# Altium PCB 单片机主板.PcbDoc
Units mil, origin at the board's own origin, x right, y up, seen from the top; angles counter-clockwise.
Board outline 3937.01 x 3937.01 mil, 2 copper layers (Top Layer, Bottom Layer); 23 components, 39 nets, 142 pads, 21 vias.
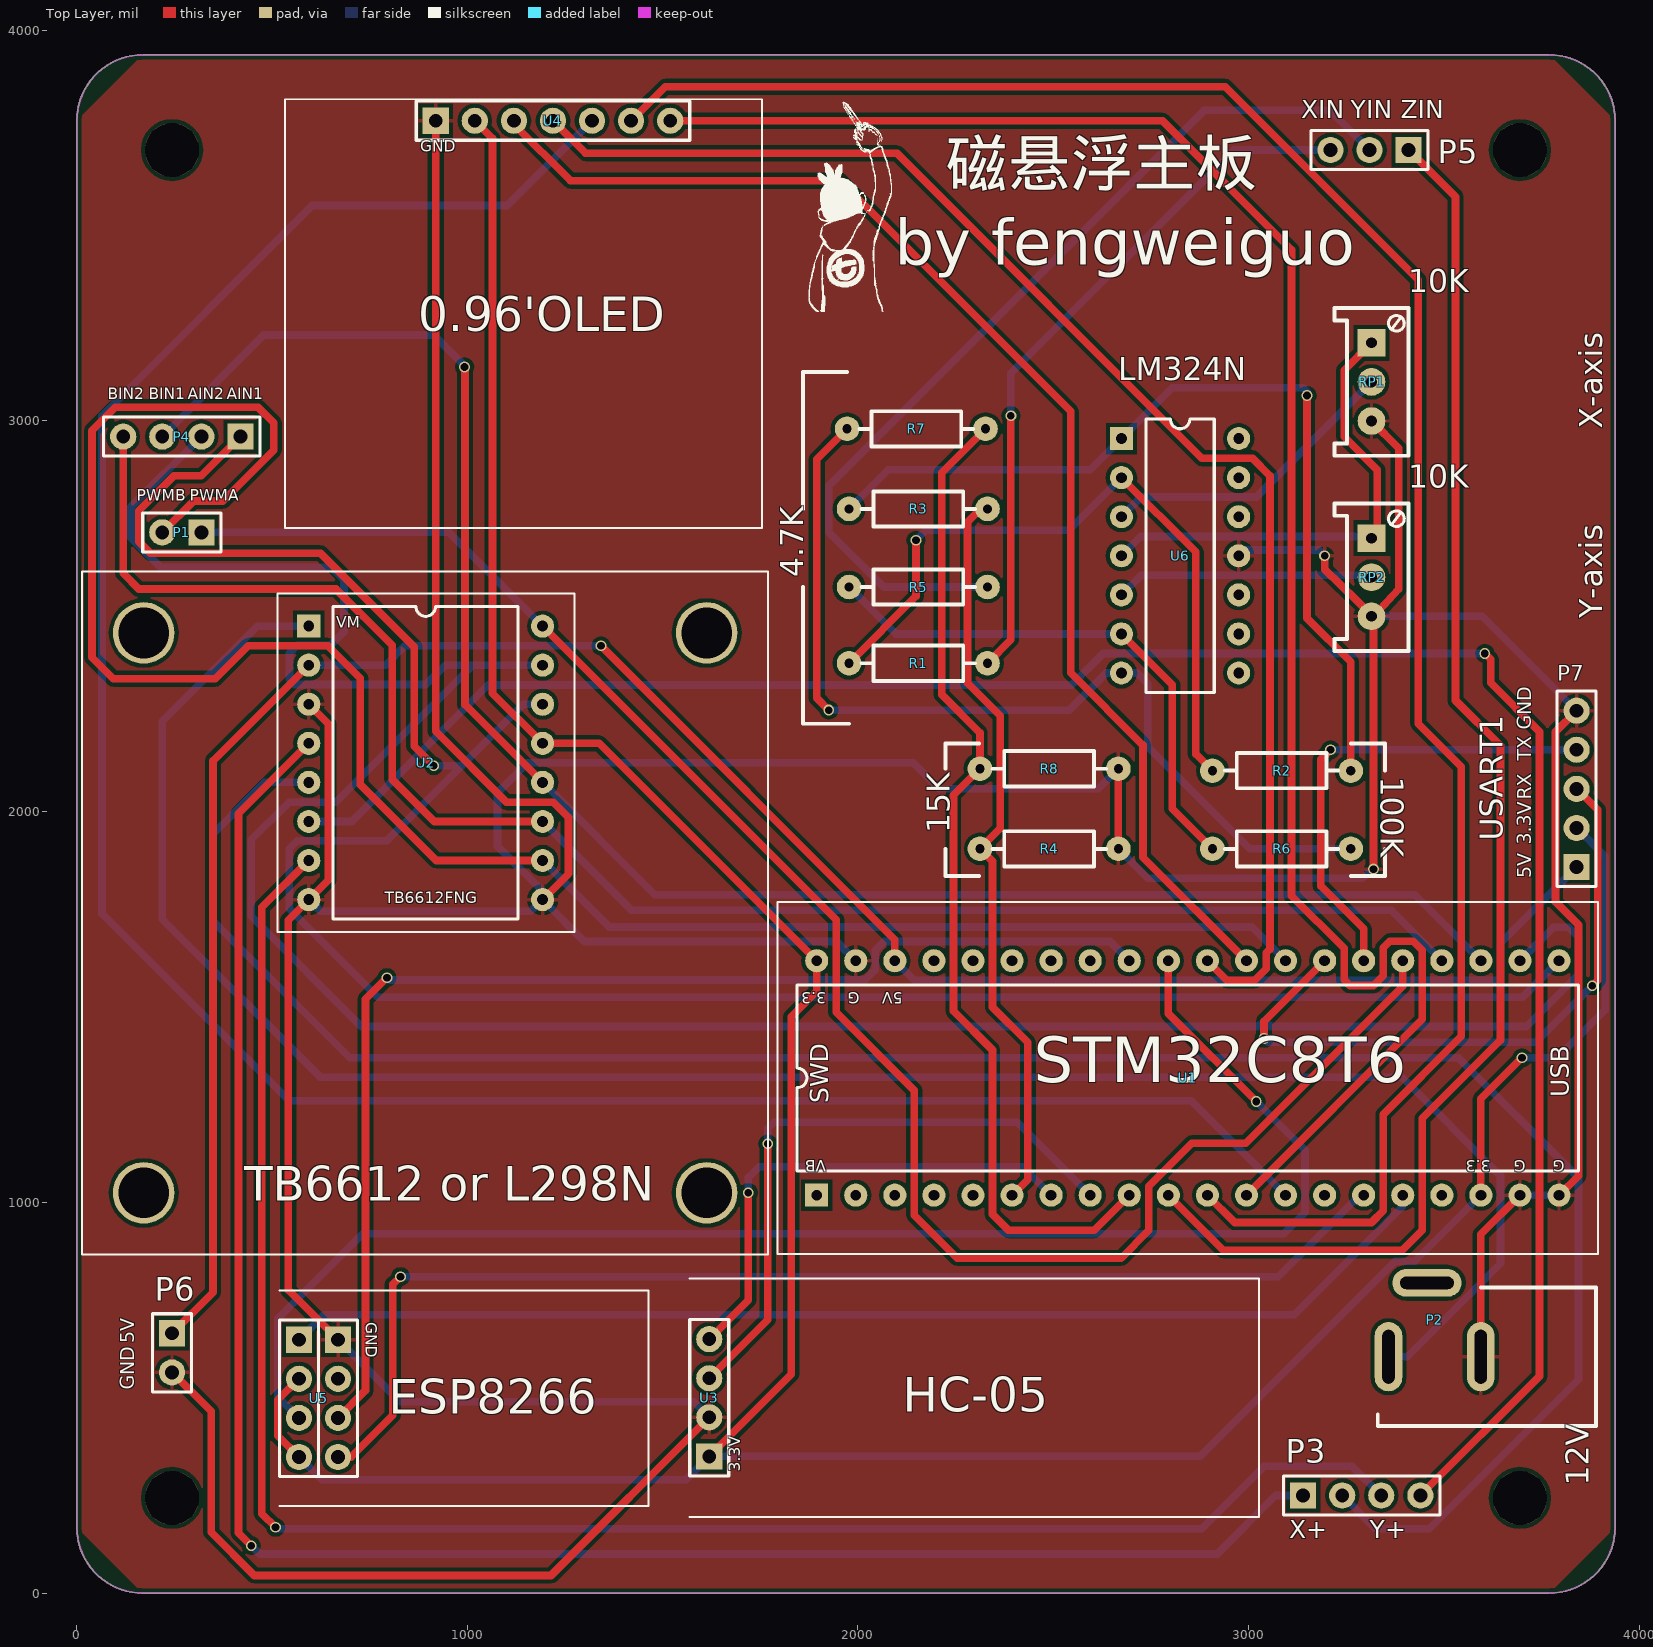
[diagram p0: Top Layer view]
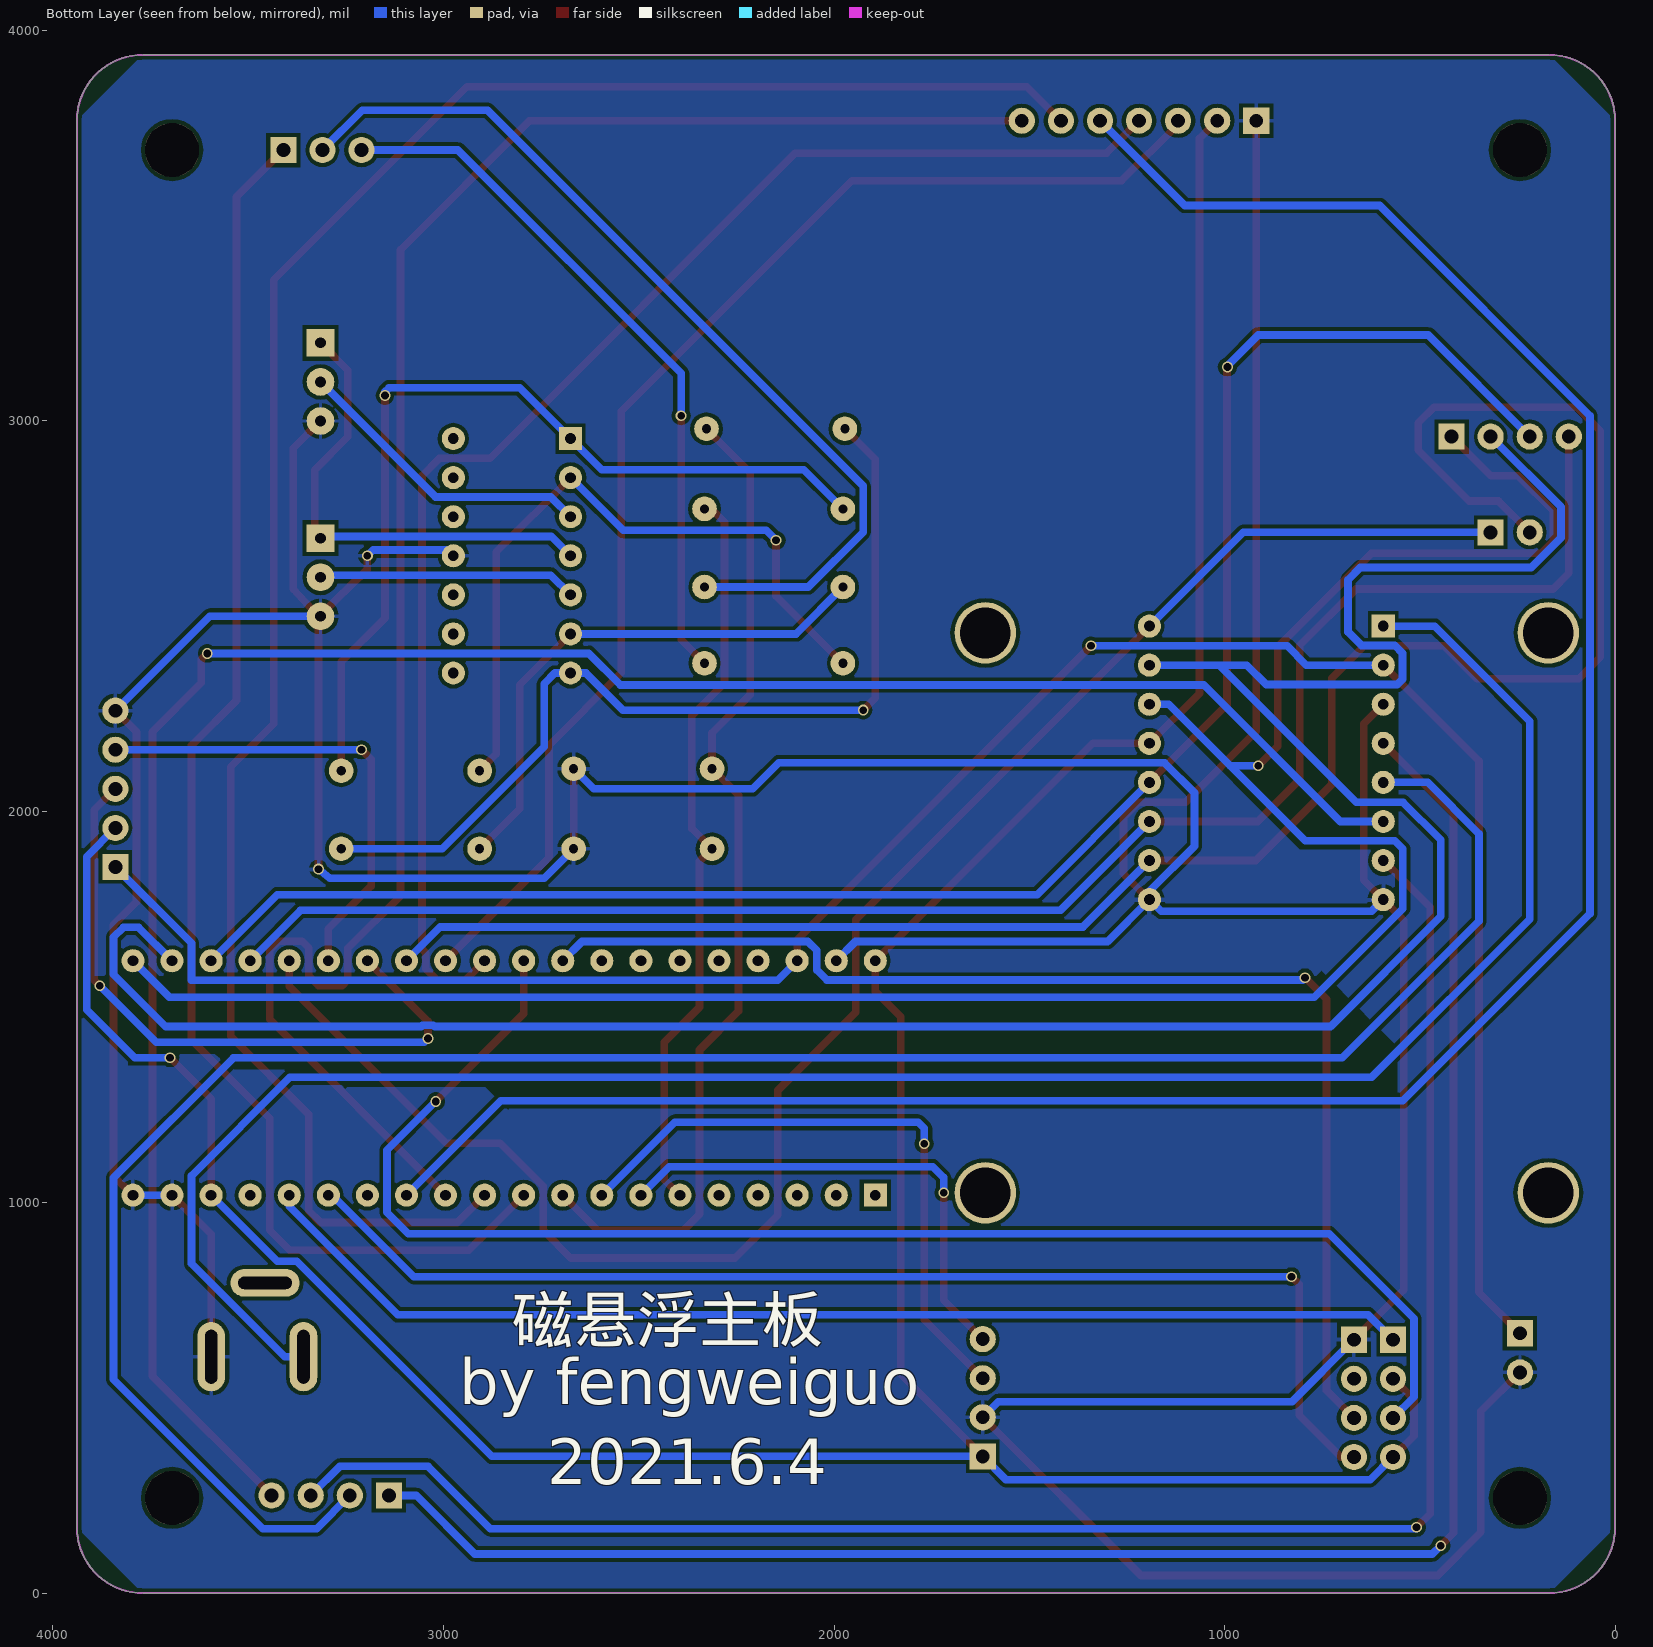
[diagram p1: Bottom Layer view, seen from below]

## Layer stack, top to bottom
Top Solder: solder mask 0.4, Solder Resist, Dk 3.5
Top Layer: signal copper 1.4
Dielectric 1: dielectric 12.6, FR-4, Dk 4.8
Bottom Layer: signal copper 1.4
Bottom Solder: solder mask 0.4, Solder Resist, Dk 3.5

## Board outline
1.5,168.5 ccw(c170,168.5) 170,0 3770,0 ccw(c3770,168.5) 3938.51,168.5 3938.51,3768.5 ccw(c3770,3768.5) 3770,3937.01 170,3937.01 ccw(c170,3768.5) 1.5,3768.5

## Design rules (kind name [scope] priority, off if disabled: settings)
Clearance [All] p1: gap=10 ignorepadtopadclearanceinfootprint=FALSE except(0: Arc-Hole Track-Hole SMDPad-Hole THPad-Hole Via-Hole Fill-Hole Poly-Hole Region-Hole Text-Hole)
HoleSize [All] p1: absolutevalues=TRUE maxlimit=157.48 minlimit=1 maxpercent=80.000 minpercent=20.000
HoleToHoleClearance [All] p1: gap=3.94 allowstackedmicrovias=TRUE
MinimumSolderMaskSliver [All] p1: minsoldermaskwidth=3.94
PolygonConnect [All] p1: connectstyle=Relief reliefconductorwidth=10 reliefentries=4 polygonreliefangle="90 Angle" airgapwidth=10
RoutingVias [All] p1: holewidth=28 width=50 viastyle="Through Hole" minholewidth=3.94 minwidth=3.94 maxholewidth=28 maxwidth=50
SilkToSilkClearance [All] p1: silktosilkclearance=0
SilkToSolderMaskClearance [IsPad] p1: minsilkscreentomaskgap=0 clearancetoexposedcopper=TRUE
SolderMaskExpansion [All] p1: expansion=4
UnRoutedNet [All] p1: checkbadconnections=TRUE
Width [All] p1: maxlimit=39.37 minlimit=19.68 preferedwidth=19.68
24 further rules are at their usual default settings.

## Components (designator, comment, footprint, x,y, rotation, side; value= is the part's Value field where it differs from the comment)
P1 "Pin2" HDR2.54-LI-2P 270,2715 r180 top
P2 "DC2.1" DC21 3890,605 r180 top
P3 "Pin4" HDR2.54-LI-4P 3290,250 r0 top
P4 "Pin4" HDR2.54-LI-4P 270,2960 r180 top
P5 "Pin3" HDR2.54-LI-3P 3310,3693.5 r180 top
P6 "Pin2" HDR2.54-LI-2P 245,615 r270 top
P7 "Pin5" HDR2.54-LI-5P 3840,2058.5 r90 top
R1 "4.7K" "RS 1/4W" 2155,2380 r180 top
R2 "100K" "RS 1/4W" 3085,2105 r0 top
R3 "4.7K" "RS 1/4W" 2155,2775 r180 top
R4 "15K" "RS 1/4W" 2490,1905 r180 top
R5 "4.7K" "RS 1/4W" 2155,2575 r180 top
R6 "100K" "RS 1/4W" 3085,1905 r0 top
R7 "4.7K" "RS 1/4W" 2150,2980 r180 top
R8 "15K" "RS 1/4W" 2490,2110 r180 top
RP1 "10K" 3296W 3315,3100 r270 top
RP2 "10K" 3296W 3315,2600 r270 top
U1 "STM32C8T6" STM32C8T6最小系统板 1895,1018.5 r90 top
U2 "TB6612" TB6612 595,2475 r0 top
U3 "HC-05" HC-05 1620,350 r90 top
U4 "0.96'OLED" 0.96'OLED 920,3768.5 r0 top
U5 "ESP8266-01S" ESP8266-01S 670,648.5 r270 top
U6 "LM324AD" LM324N 2675,2955 r0 top

## Footprints (in the part's own frame and the unit in brackets; to place one, negate y for a bottom-side part, rotate by r counter-clockwise, add the part's x,y. Pads: shape width x height; smd on the part's side, far side on the other; paste and mask are expansions set on the pad)
0.96'OLED [mm]
  rect 1.7x1.7 hole 0.9: 1(0,0)
  round 1.7 hole 0.9: 2(2.54,0) 3(5.08,0) 4(7.62,0) 5(10.16,0) 6(12.7,0) 7(15.24,0)
  silkscreen extent -9.8,-26.46 21.21,1.4, body extent -1.27,-1.27 16.51,1.27, height 8.5
3296W [mm] "Precise Multi-Winding Adjustable Resistor"
  rect 1.8x1.8 hole 0.7: 1(-2.54,0)
  round 1.8 hole 0.7: 2(0,0) 3(2.54,0)
  silkscreen extent -4.8,-2.4 4.8,2.4, body extent -4.75,-2.4 4.75,2.4, height 11.52
DC21 [mm]
  oval 1.8x4.5 hole 0.8 slot 3.5 at 90 deg: 1(13.5,0) 3(7.5,0)
  oval 4.5x1.8 hole 0.8 slot 3.5 at 0 deg: 2(11,-4.8)
  silkscreen extent 0,-4.5 14.2,4.5, body extent -0.25,-5.15 13.85,4.57, height 11.05
ESP8266-01S [mm]
  rect 1.7x1.7 hole 0.9: 1(0,0) 8(0,-2.54)
  round 1.7 hole 0.9: 2(2.54,0) 3(5.08,0) 4(7.62,0) 5(7.62,-2.54) 6(5.08,-2.54) 7(2.54,-2.54)
  silkscreen extent -3.21,-3.81 10.79,20.19, body extent -1.27,-3.81 8.89,1.27, height 8.5
HC-05 [mm]
  rect 1.7x1.7 hole 0.9: 1(0,0)
  round 1.7 hole 0.9: 2(2.54,0) 3(5.08,0) 4(7.62,0)
  silkscreen extent -3.94,-35.73 11.56,1.27, body extent -1.27,-1.27 8.89,1.27, height 8.5
HDR2.54-LI-2P [mm] "排针，2脚"
  rect 1.7x1.7 hole 0.9: 1(-1.27,0)
  round 1.7 hole 0.9: 2(1.27,0)
  silkscreen extent -2.54,-1.27 2.54,1.27, body extent -2.54,-1.27 2.54,1.27, height 8.5
HDR2.54-LI-3P [mm] "排针，3脚"
  rect 1.7x1.7 hole 0.9: 1(-2.54,0)
  round 1.7 hole 0.9: 2(0,0) 3(2.54,0)
  silkscreen extent -3.81,-1.27 3.81,1.27, body extent -3.81,-1.27 3.81,1.27, height 8.5
HDR2.54-LI-4P [mm] "排针，4脚"
  rect 1.7x1.7 hole 0.9: 1(-3.81,0)
  round 1.7 hole 0.9: 2(-1.27,0) 3(1.27,0) 4(3.81,0)
  silkscreen extent -5.08,-1.27 5.08,1.27, body extent -5.08,-1.27 5.08,1.27, height 8.5
HDR2.54-LI-5P [mm] "排针，5脚"
  rect 1.7x1.7 hole 0.9: 1(-5.08,0)
  round 1.7 hole 0.9: 2(-2.54,0) 3(0,0) 4(2.54,0) 5(5.08,0)
  silkscreen extent -6.35,-1.27 6.35,1.27, body extent -6.35,-1.27 6.35,1.27, height 8.5
LM324N [mm]
  rect 1.5x1.5 hole 0.7: 1(0,0)
  round 1.5 hole 0.7: 2(0,-2.54) 3(0,-5.08) 4(0,-7.62) 5(0,-10.16) 6(0,-12.7) 7(0,-15.24) 8(7.62,-15.24) 9(7.62,-12.7) 10(7.62,-10.16) 11(7.62,-7.62) 12(7.62,-5.08) 13(7.62,-2.54) 14(7.62,0)
  silkscreen extent 1.59,-16.51 6.03,1.27
"RS 1/4W" [mm] "直插色环电阻，脚距9mm，直径2.3mm"
  round 1.6 hole 0.6: 1(-4.5,0) 2(4.5,0)
  silkscreen extent -3.68,-1.14 3.68,1.14, body extent -4.72,-1.16 4.73,1.16, height 2.32
STM32C8T6最小系统板 [mm]
  rect 1.5x1.5 hole 0.7: 1(0,0)
  round 1.5 hole 0.7: 2(0,-2.54) 3(0,-5.08) 4(0,-7.62) 5(0,-10.16) 6(0,-12.7) 7(0,-15.24) 8(0,-17.78) 9(0,-20.32) 10(0,-22.86) 11(0,-25.4) 12(0,-27.94) 13(0,-30.48) 14(0,-33.02) 15(0,-35.56) 16(0,-38.1) 17(0,-40.64) 18(0,-43.18) 19(0,-45.72) 20(0,-48.26) 21(15.24,-48.26) 22(15.24,-45.72) 23(15.24,-43.18) 24(15.24,-40.64) 25(15.24,-38.1) 26(15.24,-35.56) 27(15.24,-33.02) 28(15.24,-30.48) 29(15.24,-27.94) 30(15.24,-25.4) 31(15.24,-22.86) 32(15.24,-20.32) 33(15.24,-17.78) 34(15.24,-15.24) 35(15.24,-12.7) 36(15.24,-10.16) 37(15.24,-7.62) 38(15.24,-5.08) 39(15.24,-2.54) 40(15.24,0)
  silkscreen extent -3.81,-50.8 19.05,2.54
TB6612 [mm]
  rect 1.5x1.5 hole 0.7: 1(0,0)
  round 1.5 hole 0.7: 2(0,-2.54) 3(0,-5.08) 4(0,-7.62) 5(0,-10.16) 6(0,-12.7) 7(0,-15.24) 8(0,-17.78) 9(15.2,-17.78) 10(15.2,-15.24) 11(15.2,-12.7) 12(15.2,-10.16) 13(15.2,-7.62) 14(15.2,-5.08) 15(15.2,-2.54) 16(15.2,0)
  silkscreen extent -2.03,-19.89 17.26,2.11

## Part data
P1 P6: "两脚2.54mm排针"
P2: library part Pin3, "三脚2.54mm排针"
P3 P4: "四脚2.54mm排针"
P5: "三脚2.54mm排针"
P7: "五脚2.54mm排针"
R1 R2 R3 R4 R5 R6 R7 R8: library part R-CRR, "直插色环电阻"
RP1 RP2: library part RP-ID, "插件单联电位器"
U3: "蓝牙模块"
U4: "OLED显示屏"
U5: "WIFI模块"

## Free pads (board coordinates)
  round 157.48 hole 129.92 unplated: 1(172.48,2457.52) 2(1613.43,2457.52) 3(172.48,1024.45) 4(1613.43,1024.45)
  round 137.8 hole 137.8 unplated: 1(245,3693.5) 2(3695,3693.5) 3(245,243.5) 4(3695,243.5)

## Via types
v1: diameter 27.56, hole 19.68, Top Layer to Bottom Layer, tented both sides, 21 vias

## Nets (pads, with @x,y where several pads share a name; then routed paths per layer and width w, separated by ;. In a path a pad name is that pad's centre, name@x,y a point inside that pad or via, vN(x,y) a via of type N, cw(c..) or ccw(c..) an arc to the next point about the centre after c; other vN are vias at no path point)
3.3V: P7.2 U1.18 U1.40 U2.13 U3.1 U4.2 U5.5 U5.7 | length 8730.3
  Top Layer w19.68: U5.5 516,402.5 516,494.5 U5.7 ; U4.2 1065,3723.5 1065,2303.43 U2.13 1338.5,2175 U1.40 1895,1540 1830,1475 1830,560 U3.1 ; U1.18 3595,1265 v1(3700,1370)
  Bottom Layer w19.68: U5.5 628,290.5 1560.5,290.5 U3.1 2876.5,350 3376,849.5 3426,849.5 U1.18 ; v1(3700,1370) 3790.01,1370 3913.62,1493.61 3913.62,1884.88 P7.2
5V: P6.1 P7.1 U1.38 U2.2 | length 5682.4
  Top Layer w19.68: P6.1 350,770 350,2130 U2.2 ; v1(1343,2424.5) 2095,1672.5 U1.38
  Bottom Layer w19.68: U2.2 791.5,2375 841,2424.5 v1(1343,2424.5) ; U1.38 2145,1568.5 3645,1568.5 3645,1663.5 P7.1
12V: P2.1 U2.1 | length 5308.8
  Bottom Layer w19.68: U2.1@581.35,2461.35 U2.1 463.65,2475 432.5,2443.85 370,2381.35 220,2231.35 220,1725 625,1320 3393.5,1320 3645,1068.5 3645,843.5 3406.5,605 P2.1
+5: RP1.1 RP2.1 U6.4 | length 1232.8
  Top Layer w19.68: RP2.1 3330,2715 3330,2874.5 3245,2959.5 3245,3130 RP1.1
  Bottom Layer w19.68: U6.4 2724.5,2704.5 3310.5,2704.5 RP2.1
AIN1: P4.1 U1.21 U2.14 | length 5966.5
  Top Layer w19.68: P4.1 320,2860 250,2860 160,2770 160,2691.5 190,2661.5 625,2661.5 865,2421.5 865,2167.5 v1(915,2117.5)
  Bottom Layer w19.68: v1(915,2117.5) 985,2117.5 ; U2.14 1144,2275 985.75,2116.75 794.5,1925.5 565.5,1925.5 545,1905 545,1751.5 771.5,1525 3701.5,1525 U1.21
AIN2: P4.2 U1.22 U2.15 | length 6769.5
  Bottom Layer w19.68: P4.2 140,2780 140,2701.5 216.5,2625 653.5,2625 685,2593.5 685,2460 650.5,2425.5 565.5,2425.5 545.63,2405.63 545.63,2338.87 559,2325.5 894.5,2325.5 944,2375 1014.5,2375 ; U2.15 1014.5,2375 ; U1.22 3781,1704.5 3819,1704.5 3845,1678.5 3845,1584 3711,1450 3057.05,1450 3053.93,1453.12 3026.07,1453.12 3022.95,1450 730,1450 447.67,1732.33 447.67,1927.67 544.5,2024.5 664,2024.5 1014.5,2375
BIN1: P4.3 U1.23 U2.12 | length 4655.9
  Top Layer w19.68: v1(993.75,3138.25) 995,3139.5 995,2273.43 U2.12
  Bottom Layer w19.68: P4.3 480,3220 914.5,3220 993.75,3140.75 v1(993.75,3138.25) ; U2.12 1480.93,1787.5 3426,1787.5 U1.23
BIN2: P4.4 U1.24 U2.11 | length 4336.6
  Top Layer w19.68: P4.4 120,2610 160,2570 664.5,2570 809,2425.5 809,2082.5 916.5,1975 U2.11
  Bottom Layer w19.68: U2.11 1420.93,1747.5 3366,1747.5 U1.24
CLK: U1.29 U4.3 | length 3330.8
  Top Layer w19.68: U4.3 1120,3760 1265,3615 1955,3615 2545,3025 2545,2355.5 2730,2170.5 2730,1883.5 U1.29
CS: U1.12 U4.7 | length 4768.8
  Top Layer w19.68: U4.7 2780,3768.5 3110,3438.5 3110,1785 3245,1650 3245,1570 3260,1555 3320,1555 3345,1580 3345,1651.5 3362,1668.5 3421.5,1668.5 3445,1645 3445,1468.5 U1.12
DC: U1.11 U4.6 | length 5258.5
  Top Layer w19.68: U4.6 1507,3855.5 2941,3855.5 3435,3361.5 3435,2225 3545,2115 3545,1425 3345,1225 3345,978.5 3315,948.5 2965,948.5 U1.11
DIN: U1.30 U4.4 | length 3660.7
  Top Layer w19.68: U4.4 1303.5,3685 2100.5,3685 2881,2904.5 3010.5,2904.5 3055,2860 3055,1648.32 3045.63,1638.95 3045.63,1598.05 3016.08,1568.5 2945,1568.5 U1.30
GND: P2.3 P6.2 P7.5 R4.1 R8.1 RP1.3 RP2.3 U1.19 U1.20 U1.39 U2.3 U2.8 U2.9 U3.2 U4.1 U5.1 U6.11 | length 15454.2
  Top Layer w19.68: P6.2 345,465 345,155.5 455.5,45 1215,45 U3.2 ; U2.3 645,2225 645,1825 U2.8 542.52,1722.52 542.52,775.98 U5.1 ; U4.1 920,2205.62 1101.12,2024.5 1220.5,2024.5 1260,1985 1260,1841.57 U2.9 ; R4.1 R8.1 ; v1(3195,2655) 3195,2620 3317.16,2502.24 RP2.3@3320,2499.5 ; RP1.3 3385,2930 3385,2570 RP2.3@3320,2499.5 ; v1(3320,1853) RP2.3@3320,2499.5 ; P2.3 3594.72,918.22 U1.19 ; U1.20 3845,1068.5 3845,1710 3786,1769 3786,2204.5 P7.5
  Bottom Layer w19.68: U2.8 625,1745 1163.43,1745 U2.9 ; U5.1 828.5,490 1580,490 U3.2 ; U1.39 1945.63,1667.87 1300.56,1667.87 U2.9 ; R4.1 2742.17,1830 3291.5,1830 v1(3320,1853) ; R8.1 2615.67,2058.5 2209,2058.5 2142,2125.5 1155,2125.5 1078,2048.5 1078,1912 1193.43,1796.57 U2.9 ; U6.11 2990,2670 3180,2670 v1(3195,2655) ; RP2.3 3598.5,2500 P7.5 ; U1.19 U1.20
GPIO0: U1.32 U5.3 | length 3171.9
  Top Layer w19.68: U5.3 740,518.5 740,1520 v1(795,1575)
  Bottom Layer w19.68: v1(795,1575) 800.87,1569.13 2017.87,1569.13 2018.5,1568.5 2045,1595 2045,1645 2067.87,1667.87 2645.63,1667.87 U1.32
NetR1_2: R1.2 R2.1 U6.2 | length 1824.3
  Top Layer w19.68: R1.2 2149,2551.17 v1(2149,2694.5) ; U6.2 2865,2665 2865,2147.83 R2.1
  Bottom Layer w19.68: v1(2149,2694.5) 2174.5,2720 2540,2720 U6.2
NetR2_2: R2.2 R3.2 U6.1 | length 2320.9
  Top Layer w19.68: v1(3150,3065) 3150,2495.5 3262.17,2383.33 R2.2
  Bottom Layer w19.68: R3.2 2078.33,2875.5 2595.5,2875.5 U6.1 2805,3085 3139.5,3085 3150,3074.5 v1(3150,3065)
NetR5_2: R5.2 R6.1 U6.6 | length 1393.3
  Top Layer w19.68: U6.6 2805,2325 2805,2007.83 R6.1
  Bottom Layer w19.68: R5.2 2097.83,2455 U6.6
NetR6_2: R6.2 R7.2 U6.7 | length 2421.6
  Top Layer w19.68: v1(1926,2260) 1895,2291 1895,2902.17 R7.2
  Bottom Layer w19.68: v1(1926,2260) 2540.67,2260 2635.67,2355 U6.7 2715,2355 2742.17,2327.83 2742.17,2166.33 3003.5,1905 R6.2
NetRP1_2: RP1.2 U6.3 | length 782.9
  Bottom Layer w19.68: U6.3 2725.5,2805.5 3020.5,2805.5 RP1.2
NetRP2_2: RP2.2 U6.5 | length 666.4
  Bottom Layer w19.68: U6.5 2725.5,2605.5 3315,2605.5 RP2.2
PWMA: P1.1 U1.25 U2.16 | length 4589.5
  Top Layer w19.68: U2.16 1945,1723.43 1945,1486.5 2145,1286.5 2145,967.5 2255,857.5 2674,857.5 2745,928.5 2745,1041.5 2855,1151.5 2992.88,1151.5 3395,1553.62 U1.25
  Bottom Layer w19.68: P1.1 953.43,2715 U2.16
PWMB: P1.2 U1.28 U2.10 | length 5134.4
  Top Layer w19.68: P1.2 300,2795 375,2795 505,2925 505,2995 465,3035 100,3035 40,2975 40,2395 95,2340 355.5,2340 440,2424.5 644,2424.5 727,2341.5 727,2069.5 921.5,1875 U2.10
  Bottom Layer w19.68: U2.10 1363.43,1705 3008.5,1705 U1.28
RES: U1.13 U4.5 | length 6168.7
  Bottom Layer w19.68: U4.5 1103,3551.5 604,3551.5 66,3013.5 66,1739 545,1260 2853.5,1260 U1.13
USART1_RX: P7.3 U1.27 | length 1699.2
  Top Layer w19.68: v1(3040,1419.5) 3040,1463.5 U1.27 ; P7.3 3894,2004.5 3894,1568.5 v1(3880,1554.5)
  Bottom Layer w19.68: v1(3040,1419.5) 3049.5,1410 3735.5,1410 v1(3880,1554.5)
USART1_TX: P7.4 U1.26 | length 1225.9
  Top Layer w19.68: v1(3210,2158.5) 3185,2133.5 3185,1810 3295,1700 U1.26
  Bottom Layer w19.68: v1(3210,2158.5) P7.4
USART2_RX: U1.8 U3.3 | length 1610.6
  Top Layer w19.68: U3.3 1770,700 v1(1770,1150)
  Bottom Layer w19.68: v1(1770,1150) 1770,1190 1785,1205 2408.5,1205 U1.8
USART2_TX: U1.7 U3.4 | length 1271.8
  Top Layer w19.68: U3.4 1720,750 v1(1720,1025)
  Bottom Layer w19.68: v1(1720,1025) 1720,1063.5 1748,1091.5 2422,1091.5 U1.7
USART3_RX: U1.16 U5.8 | length 2995
  Bottom Layer w19.68: U5.8 634,712.5 3117.5,712.5 3395,990 U1.16
USART3_TX: U1.15 U5.4 | length 3098.8
  Top Layer w19.68: U5.4 703.5,348.5 810,455 810,790 v1(830,810)
  Bottom Layer w19.68: v1(830,810) 3076.5,810 3285,1018.5 U1.15
WIFI_RST: U1.31 U5.6 | length 3806.7
  Top Layer w19.68: U1.31 2795,1483.5 v1(3020,1258.5)
  Bottom Layer w19.68: U5.6 516,502.5 516,702.5 733.5,920 3090,920 3145,975 3145,1133.5 v1(3020,1258.5)
X+: P3.1 U2.4 | length 4905
  Top Layer w19.68: v1(447.67,121.5) 415,154.17 415,1995 U2.4
  Bottom Layer w19.68: v1(447.67,121.5) 469.17,100 2920,100 3070,250 P3.1
X-: P3.2 U2.5 | length 5604
  Bottom Layer w19.68: U2.5 481.5,2075 350,1943.5 350,1720 700,1370 3537.5,1370 3845,1062.5 3845,547.5 3462.5,165 3325,165 P3.2
XIN: P5.3 R1.1 | length 1821.5
  Top Layer w19.68: R1.1 2392,2439.83 v1(2392,3013.5)
  Bottom Layer w19.68: v1(2392,3013.5) 2392,3122 2963.5,3693.5 P5.3
XOUT: R3.1 R4.2 U1.6 | length 1911.5
  Top Layer w19.68: R3.1 2315,2775 2280.83,2740.83 2280.83,2329.5 2365,2245.33 2365,1957.17 R4.2 2345,1872.83 2345,1500 2435,1410 2435,1058.5 U1.6
Y+: P3.3 U2.7 | length 4698
  Top Layer w19.68: v1(510,168.5) 475,203.5 475,1755 U2.7
  Bottom Layer w19.68: v1@510,165 2880,165 3040,325 3265,325 P3.3
Y-: P3.4 U2.6 | length 5527.9
  Top Layer w19.68: P3.4 3745,555 3745,2205 3620,2330 3620,2390 v1(3605,2405)
  Bottom Layer w19.68: U2.6 705,1975 1054.5,2324.5 2548,2324.5 2629,2405.5 2629.5,2405 v1(3605,2405)
YIN: P5.2 R5.1 | length 2406.7
  Bottom Layer w19.68: R5.1 2066.5,2575 1926,2715.5 1926,2833.5 2887.5,3795 3208.5,3795 P5.2
YOUT: R7.1 R8.2 U1.9 | length 2571.3
  Top Layer w19.68: R7.1 2215,2867.83 2215,2300 2312.83,2202.17 R8.2 2245,2042.17 2245,1490 2345,1390 2345,969.5 2386,928.5 2605,928.5 U1.9
ZOUT: P5.1 U1.10 | length 3674.7
  Top Layer w19.68: U1.10 2936,877.5 3394,877.5 3445,928.5 3445,1215 3645,1415 3645,2169.66 3530,2284.66 3530,3573.5 P5.1
pads on no net: P2.2 U1.1 U1.2 U1.3 U1.4 U1.5 U1.14 U1.17 U1.33 U1.34 U1.35 U1.36 U1.37 U5.2 U6.8 U6.9 U6.10 U6.12 U6.13 U6.14

## Polygon pours and split planes (outlines as drawn)
GND on Top Layer (solid, pour order 0): 170,3937.01 1.5,3768.5 1.5,168.5 170,0 3770,0 3938.51,168.5 3938.51,3768.5 3770,3937.01 170,3937.01
GND on Bottom Layer (solid, pour order 2): 170,3937.01 1.5,3768.5 1.5,168.5 170,0 3770,0 3938.51,168.5 3938.51,3768.5 3770,3937.01 170,3937.01

## Keep-outs
Keep-Out Layer:
  the board outline again, w5

## Other copper
Bottom Layer:
  pour cut-out: 570,2404.27 579.04,2395.23 785.3,2395.23 836.97,2446.9 1352.28,2446.9 1352.28,2402.1 1350.11,2404.27 1227.09,2404.27 1227.09,2360.48 1221.62,2355 1221.62,2246.81 1151.81,2246.81 808.19,1903.19 555,1903.19 555,2406.57 555.79,2407.36
  pour cut-out: 755,1592.14 767.14,1580 3925,1580 3925,1476.38 3808.13,1359.51 3808.13,1350 3685.71,1350 3677.6,1358.11 3677.6,1379.28 3585.03,1379.28 3535.69,1340 3301.35,1340 3251.35,1290 3246.35,1295 2893.9,1295 2835,1236.1 2829.79,1241.31 557.76,1241.31 557.76,1397.76 755,1595

## Silkscreen, mask and mechanical layers (free items; w line width, h text height)
Top Overlay:
  drawing of 2802 lines, arcs and shapes, not listed
  text "XIN" at 3135,3760 h80
  text "YIN" at 3262.17,3760 h80
  text "ZIN" at 3390,3760 h80
  text "磁悬浮主板" at 2225,3565 h200
  text "by fengweiguo" at 2095,3361.6 h200
  text "10K" at 3409.49,3310 h100
  text "0.96'OLED" at 875,3200 h150
  text "LM324N" at 2667.17,3085 h100
  text "BIN2" at 80,3045 h50
  text "BIN1" at 185,3045 h50
  text "AIN2" at 285,3045 h50
  text "AIN1" at 385,3045 h50
  text "X-axis" at 3925,2980 h100 r90
  text "10K" at 3409.49,2810 h100
  text "PWMB" at 155,2785 h50
  text "PWMA" at 290,2785 h50
  text "4.7K" at 1880,2600 h100 r90
  text "Y-axis" at 3925,2495 h100 r90
  text "GND" at 3735,2210 h60 r90
  text "TX" at 3735,2130 h60 r90
  text "100K" at 3320,2090 h100 r270
  text "RX" at 3735,2030 h60 r90
  text "15K" at 2255,1945 h100 r90
  text "USART1" at 3670,1925 h100 r90
  text "3.3V" at 3735,1915 h60 r90
  text "5V" at 3735,1830 h60 r90
  text "TB6612 or L298N" at 430,975 h150
  text "5V" at 160,640 h60 r90
  text "GND" at 160,520 h60 r90
  text "HC-05" at 2115,435 h150
  text "ESP8266" at 800,430 h150
  text "12V" at 3890,275 h100 r90
  text "X+" at 3105,125 h80
  text "Y+" at 3310,125 h80
Bottom Overlay:
  text "磁悬浮主板" at 2825,605 h200
  text "by fengweiguo" at 2960,445 h200
  text "2021.6.4" at 2735,240 h200

## Text inside footprints (layer, text, board x,y; h text height)
U1: Top Overlay "SWD" at 1940,1253.5 h80 r90; Top Overlay "USB" at 3835,1268.5 h80 r90; Top Overlay "5V" at 2115,1548.5 h50 r180; Top Overlay "G" at 2005,1548.5 h50 r180; Top Overlay "3.3" at 1920,1548.5 h50 r180; Top Overlay "VB" at 1920,1118.5 h50 r180; Top Overlay "3.3" at 3620,1118.5 h50 r180; Top Overlay "G" at 3710,1118.5 h50 r180; Top Overlay "G" at 3810,1118.5 h50 r180
U2: Top Overlay "TB6612FNG" at 790,1755 h50; Top Overlay "VM" at 665,2460 h50
U3: Top Overlay "3.3V" at 1710,310 h50 r90
U4: Top Overlay "GND" at 880,3678.5 h50
U5: Top Overlay "GND" at 730,693.5 h50 r270